# Altium PCB Elevator.PcbDoc (part 3 of 4)
Units mm, origin at the board's own origin, x right, y up, seen from the top; angles counter-clockwise.
Board outline 119.89 x 108.33 mm, 4 copper layers (Top Layer, Internal Plane 1, Internal Plane 2, Bottom Layer), stack 0.462 mm thick; 407 components, 278 nets, 1196 pads, 152 vias.
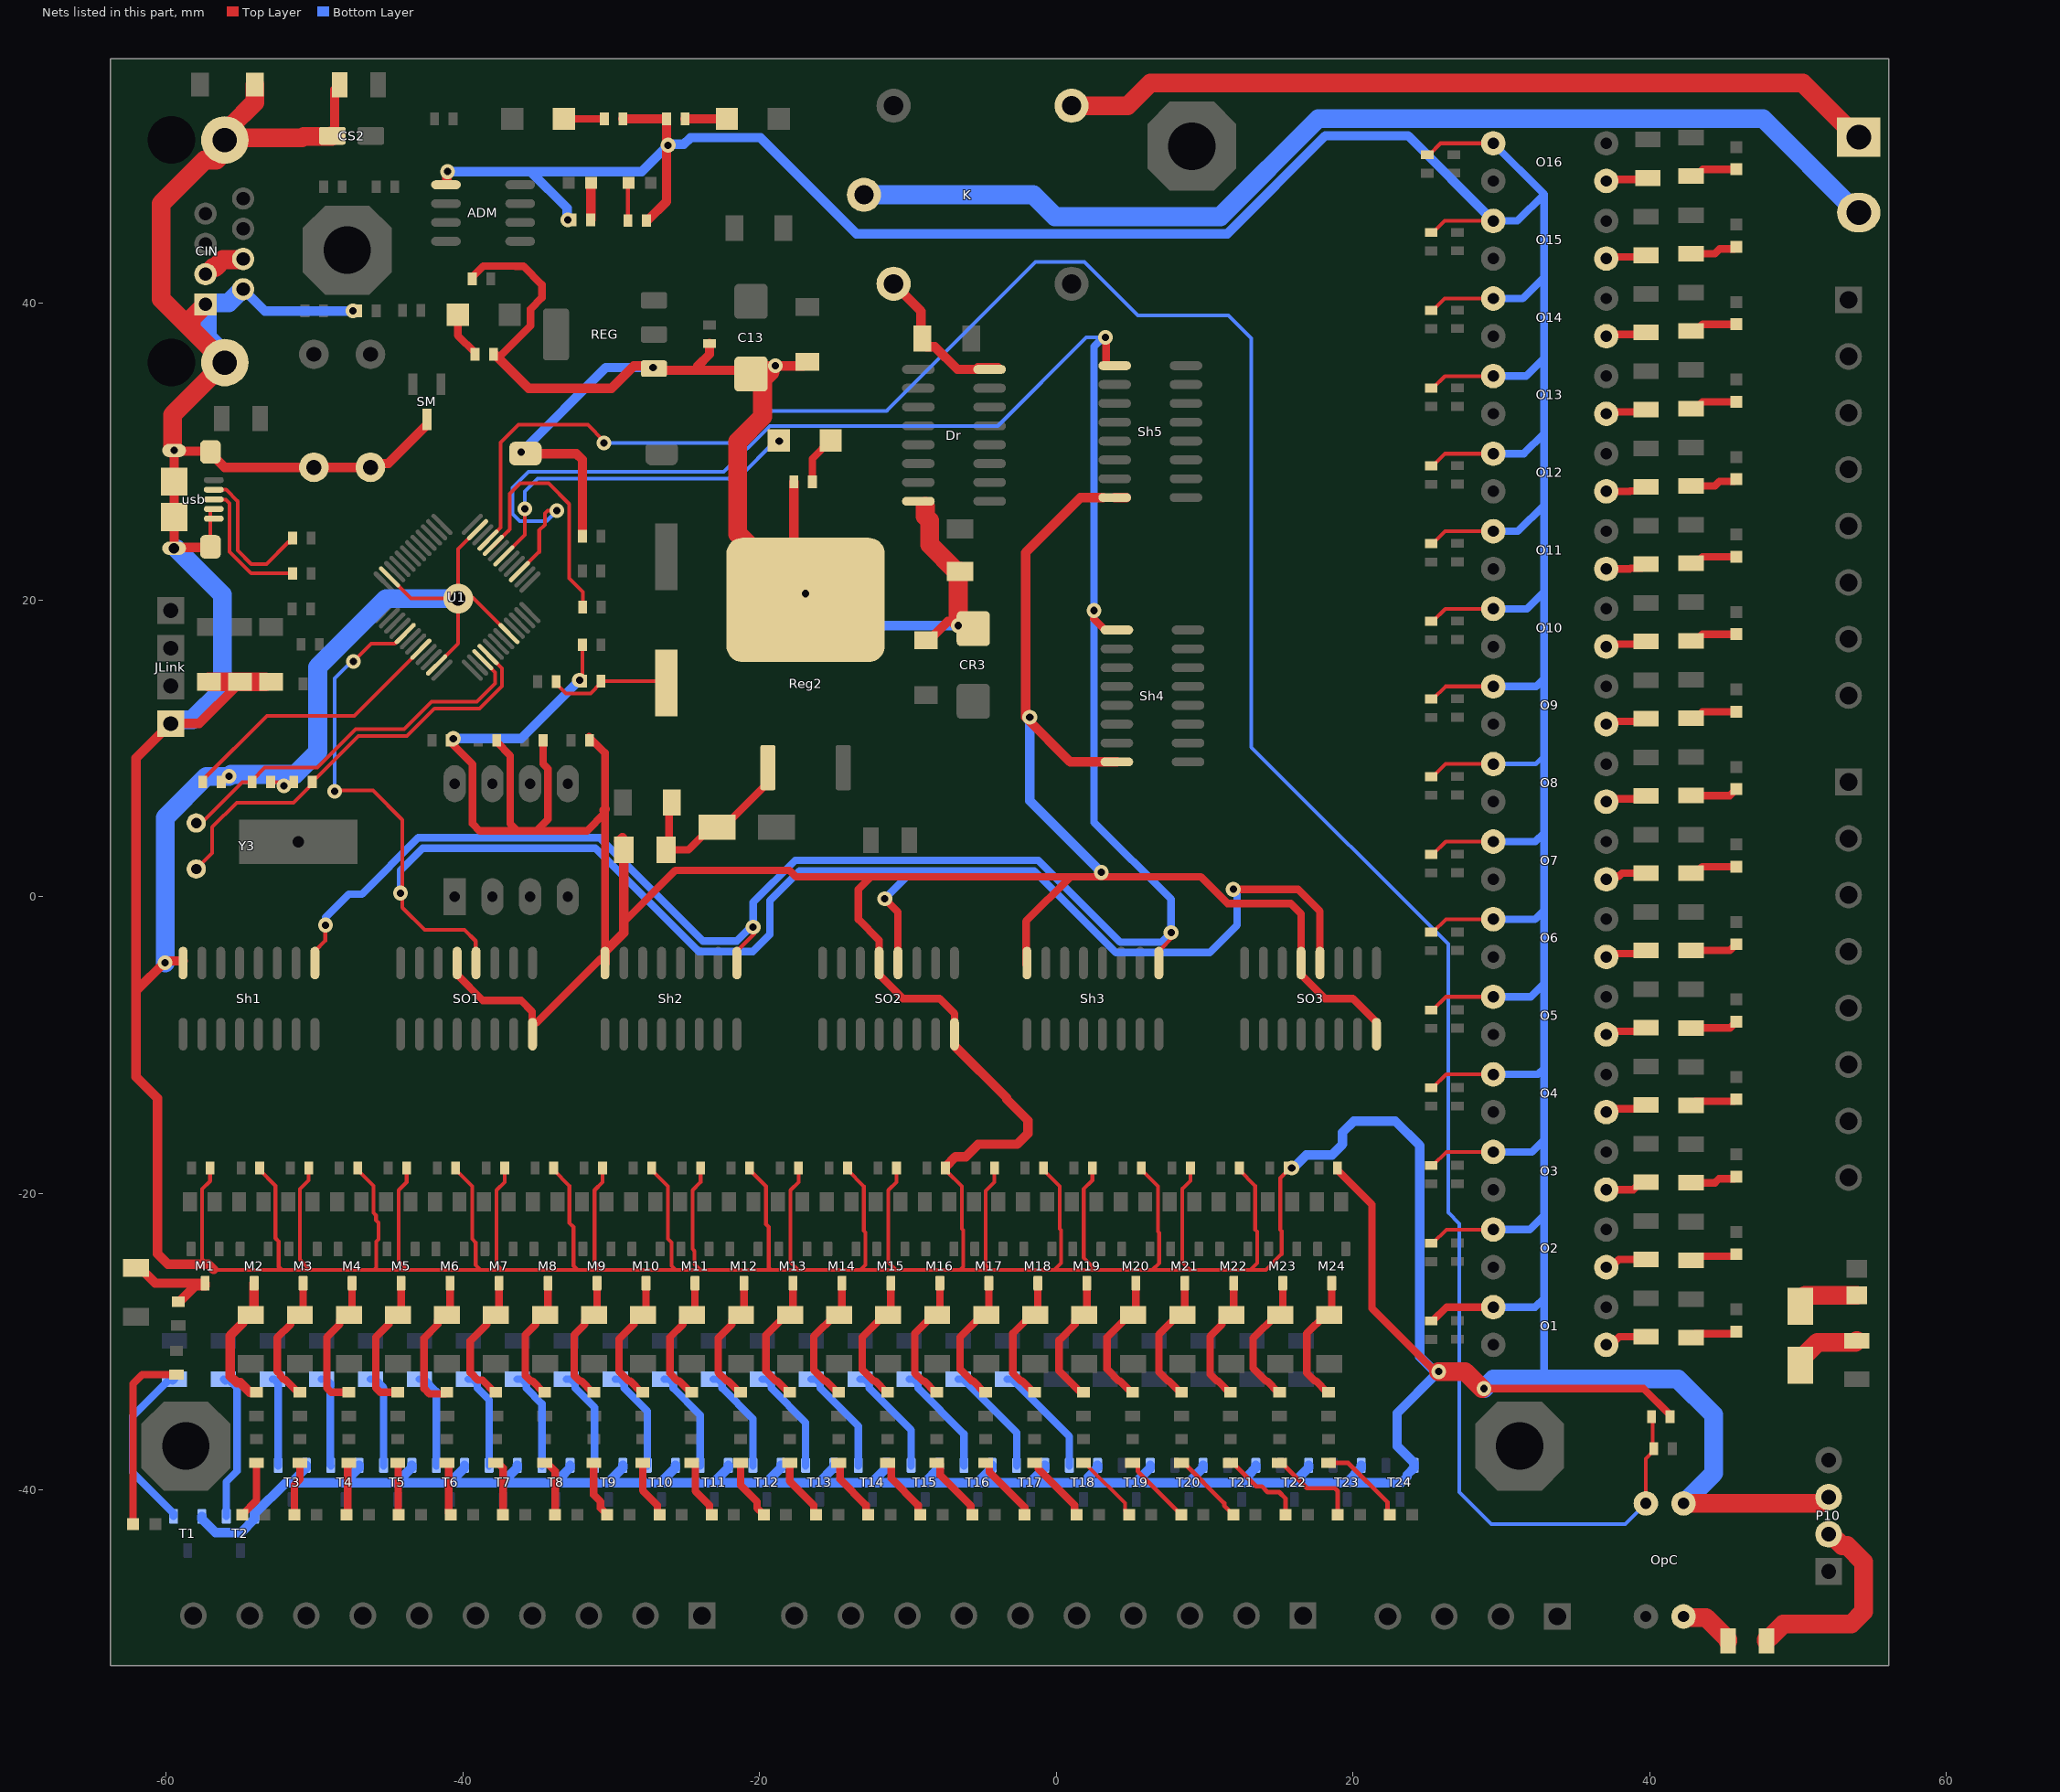
[diagram p5: the nets of this part, all layers, seen from the top]

## Via types
v1: diameter 1, hole 0.5, Top Layer to Bottom Layer, 149 vias
v2: diameter 2, hole 1, Top Layer to Bottom Layer, 3 vias

## Nets (pads, with @x,y where several pads share a name; then routed paths per layer and width w, separated by ;. In a path a pad name is that pad's centre, name@x,y a point inside that pad or via, vN(x,y) a via of type N, cw(c..) or ccw(c..) an arc to the next point about the centre after c; other vN are vias at no path point) (continued)
GND: ADM.5 C2.1 C6.2 C7.2 C10.2 C13.2 C15.2 C16.1 CH1.1 CIN.1 CIN.2 CIN.9 CR1.2 CR2.2 CR3.2 CS2.2 CS3.2 CV1.1 CV2.1 CV3.1 CV4.1 CV5.1 CV6.1 CV7.1 CV8.1 CV9.1 CV10.1 CV11.1 CV12.1 CV13.1 CV14.1 CV15.1 CV16.1 CY1.1 CY2.1 CY3.1 CY4.1 CY5.1 CY6.1 CY7.1 CY8.1 CY9.1 CY10.1 CY11.1 CY12.1 CY13.1 CY14.1 CY15.1 CY16.1 CY17.1 CY18.1 CY19.1 CY20.1 CY21.1 CY22.1 CY23.1 CY24.1 Dr.8 DZ1.1 DZ2.1 DZ10.1 DZ11.1 DZ12.1 DZ20.1 JLink.1 O1.3 O2.3 O3.3 O4.3 O5.3 O6.3 O7.3 O8.3 O9.3 O10.3 O11.3 O12.3 O13.3 O14.3 O15.3 O16.3 OpC.3 P10.3 R2.2 R4.1 R44.1 R45.1 R46.1 R47.1 R80.1 R82.1 R83.1 RC1.1 RC2.1 RC5.2 Reg2.4 REG.1 RES.1 RT1.2 RV1.1 RV2.1 Sh1.8 Sh2.8 Sh3.8 Sh4.8 Sh5.8 SM.3 SO1.8 SO1.13 SO2.8 SO2.13 SO3.8 SO3.13 T1.2 T2.2 T3.2 T4.2 T5.2 T6.2 T7.2 T8.2 T9.2 T10.2 T11.2 T12.2 T13.2 T14.2 T15.2 T16.2 T17.2 T18.2 T19.2 T20.2 T21.2 T22.2 T23.2 T24.2 U1.8 U1.23 U1.35 U1.47 usb.4 usb.5 usb.S | length 1308.8
  Top Layer w0.254: -57.248,-24.76 -57.583,-24.425 -57.583,-19.703 -57.036,-19.157 CY1.1@-57.036,-18.288 ; usb.S@-57.063,23.549 usb.S@-57.013,23.599 -57.013,26.082 -56.946,26.149 usb.4@-56.788,26.149 ; -56.798,-25.126 -56.779,-25.146 -52.197,-25.146 ; CY2.1@-53.692,-18.288 -53.692,-18.413 -52.631,-19.474 -52.631,-23.011 -52.414,-23.228 -52.414,-24.929 -52.197,-25.146 ; C15.2@-52.951,7.741 C16.1@-51.393,7.741 ; CY3.1@-50.39,-18.288 -50.39,-19.119 -50.979,-19.708 -50.979,-24.459 -50.292,-25.146 ; CY4.1@-47.088,-18.288 -47.088,-18.413 -46.027,-19.474 -46.027,-21.299 -45.855,-21.471 -45.855,-21.799 -45.687,-21.966 -45.687,-23.098 -45.831,-23.242 -45.831,-25.003 -45.974,-25.146 ; U1.35@-44.947,21.572 -43.491,20.116 v2@-40.717,20.116 ; CY5.1@-43.786,-18.288 -43.786,-19.233 -44.329,-19.776 -44.329,-24.548 -43.908,-24.969 -43.908,-25.053 -43.815,-25.146 ; U1.47@-41.765,15.632 -40.316,17.081 v2@-40.316,19.869 ; CY6.1@-40.484,-18.288 -40.484,-18.413 -39.375,-19.522 -39.375,-23.059 -39.135,-23.298 -39.135,-24.819 -38.808,-25.146 ; v2(-40.316,20.116) -40.316,23.445 U1.23@-39.007,24.754 ; v2@-39.325,20.193 U1.8@-36.886,17.753 ; CY7.1@-37.182,-18.288 -37.182,-19.233 -37.725,-19.776 -37.725,-24.794 -37.373,-25.146 ; CY8.1@-33.88,-18.288 -33.88,-18.413 -32.819,-19.474 -32.819,-21.984 -32.538,-22.265 -32.538,-24.866 -32.258,-25.146 ; C7.2@-31.936,14.536 C6.2@-31.936,16.988 ; CY9.1@-30.578,-18.288 -30.578,-19.233 -31.121,-19.776 -31.121,-24.632 -30.607,-25.146 ; CY10.1@-27.276,-18.288 -27.276,-18.413 -26.167,-19.522 -26.167,-23.059 -25.927,-23.298 -25.927,-24.873 -25.654,-25.146 ; CY11.1@-23.974,-18.288 -23.974,-19.233 -24.517,-19.776 -24.517,-23.743 -24.384,-23.876 -24.384,-24.765 -24.003,-25.146 ; CY12.1@-20.672,-18.288 -20.672,-18.413 -19.563,-19.522 -19.563,-22.067 -19.377,-22.252 -19.377,-24.997 -19.229,-25.146 ; CY13.1@-17.37,-18.288 -17.37,-19.233 -17.913,-19.776 -17.913,-21.457 -17.907,-21.463 -17.907,-24.638 -17.399,-25.146 ; CY14.1@-14.068,-18.288 -14.068,-18.413 -12.97,-19.511 -12.97,-22.511 -12.867,-22.614 -12.867,-24.805 -13.208,-25.146 ; CY15.1@-10.766,-18.288 -10.766,-19.233 -11.309,-19.776 -11.309,-24.632 -10.795,-25.146 ; CY16.1@-7.366,-18.511 -6.355,-19.522 -6.355,-22.39 -6.263,-22.481 -6.263,-24.932 -6.477,-25.146 ; CY17.1@-4.162,-18.288 -4.162,-19.225 -4.751,-19.814 -4.751,-24.84 -4.445,-25.146 ; CY18.1@-0.86,-18.288 -0.86,-18.413 0.249,-19.522 0.249,-22.39 0.341,-22.481 0.341,-24.678 -0.127,-25.146 ; CY19.1@2.442,-18.288 2.442,-19.119 1.853,-19.708 1.853,-24.332 2.667,-25.146 ; CY20.1@5.744,-18.288 5.744,-18.413 6.853,-19.522 6.853,-22.574 6.945,-22.666 6.945,-24.678 6.477,-25.146 ; CY21.1@9.046,-18.288 9.046,-19.142 8.503,-19.685 8.503,-24.632 9.017,-25.146 ; CY22.1@12.348,-18.288 12.348,-18.413 13.409,-19.474 13.409,-22.43 13.549,-22.569 13.549,-24.678 13.081,-25.146 ; CY23.1@15.65,-18.413 15.107,-18.956 15.107,-22.437 15.198,-22.528 15.198,-24.086 14.138,-25.146 13.081,-25.146 ; CV16.1@25.019,50.025 25.144,50.025 25.919,50.8 O16.3@29.464,50.8 ; CV2.1@25.273,-23.347 25.398,-23.347 26.316,-22.429 O2.3@29.464,-22.429 ; CV3.1@25.273,-18.106 25.398,-18.106 26.305,-17.199 O3.3@29.464,-17.199 ; CV4.1@25.273,-12.865 25.398,-12.865 26.295,-11.968 O4.3@29.464,-11.968 ; CV5.1@25.273,-7.624 25.398,-7.624 26.285,-6.737 O5.3@29.464,-6.737 ; CV6.1@25.273,-2.383 25.398,-2.383 26.275,-1.507 O6.3@29.464,-1.507 ; CV7.1@25.273,2.857 25.398,2.857 26.265,3.724 O7.3@29.464,3.724 ; CV8.1@25.273,8.098 25.398,8.098 26.254,8.955 O8.3@29.464,8.955 ; CV9.1@25.273,13.339 25.398,13.339 26.244,14.185 O9.3@29.464,14.185 ; CV10.1@25.273,18.58 25.398,18.58 26.234,19.416 O10.3@29.464,19.416 ; CV11.1@25.273,23.821 25.398,23.821 26.224,24.647 O11.3@29.464,24.647 ; CV12.1@25.273,29.062 25.398,29.062 26.214,29.877 O12.3@29.464,29.877 ; CV13.1@25.273,34.303 25.398,34.303 26.203,35.108 O13.3@29.464,35.108 ; CV14.1@25.273,39.543 25.398,39.543 26.193,40.339 O14.3@29.464,40.339 ; CV15.1@25.273,44.784 25.398,44.784 26.183,45.569 O15.3@29.464,45.569 ; -52.197,-25.146 -50.292,-25.146 ; -50.292,-25.146 -45.974,-25.146 ; -45.974,-25.146 -43.815,-25.146 ; -43.815,-25.146 -38.808,-25.146 ; -38.808,-25.146 -37.373,-25.146 ; -37.373,-25.146 -32.258,-25.146 ; -32.258,-25.146 -30.607,-25.146 ; -30.607,-25.146 -25.654,-25.146 ; -25.654,-25.146 -24.003,-25.146 ; -24.003,-25.146 -19.229,-25.146 ; -19.229,-25.146 -17.399,-25.146 ; -17.399,-25.146 -13.208,-25.146 ; -13.208,-25.146 -10.795,-25.146 ; -10.795,-25.146 -6.477,-25.146 ; -6.477,-25.146 -4.445,-25.146 ; -4.445,-25.146 -0.127,-25.146 ; -0.127,-25.146 2.667,-25.146 ; 2.667,-25.146 6.477,-25.146 ; 6.477,-25.146 9.017,-25.146 ; 9.017,-25.146 13.081,-25.146
  Top Layer w0.508: R44.1@-40.837,10.554 -40.837,10.429 -39.342,8.934 -39.342,4.925 -38.862,4.445 -36.322,4.445 ; SO1.13@-40.382,-4.458 -40.382,-5.258 -38.655,-6.985 -36.068,-6.985 -35.32,-7.733 SO1.8@-35.32,-8.502 ; RC5.2@-39.36,41.654 -39.36,41.779 -38.622,42.517 -38.62,42.517 -38.603,42.533 -36.466,42.533 -36.449,42.517 -35.913,42.517 -34.671,41.275 -34.671,40.386 -35.433,39.624 -35.433,38.505 -37.489,36.449 R80.1@-37.719,36.449 ; R45.1@-37.713,10.554 -37.713,10.429 -36.802,9.518 -36.802,4.925 -36.322,4.445 ; SO1.8@-35.302,-9.258 -35.302,-8.502 -35.26,-8.459 -35.002,-8.459 Sh2.8@-30.708,-4.165 ; -34.925,4.572 -34.262,5.235 -34.262,8.632 -34.59,8.96 R46.1@-34.59,10.554 ; R47.1@-31.496,10.795 -30.414,9.713 -30.414,5.908 ; Sh2.8@-30.414,-3.693 -30.414,5.654 -31.623,4.445 -36.322,4.445 ; -29.148,-1.701 -25.668,1.778 -17.974,1.778 -17.545,1.349 -12.494,1.349 ; SO2.13@-11.936,-4.458 SO2.13@-11.936,-4.701 ; SO2.8@-6.858,-9.271 -6.858,-7.874 -7.874,-6.858 -10.336,-6.858 -11.936,-5.258 SO2.13@-11.936,-4.701 ; Sh3.8@-2.032,-4.572 -2.032,-1.651 0.968,1.349 ; CY24.1@18.952,-18.288 18.952,-18.413 21.281,-20.742 21.281,-27.748 25.537,-32.004 v1(25.781,-32.004) ; SO3.8@21.59,-9.017 21.59,-8.458 19.99,-6.858 18.11,-6.858 16.51,-5.258 SO3.13@16.51,-4.458 16.51,-1.143 15.813,-0.446 11.543,-0.446 9.748,1.349 0.968,1.349 ; CV1.1@25.273,-28.588 25.398,-28.588 26.326,-27.66 O1.3@29.464,-27.66 ; v1@28.713,-33.149 v1(28.84,-33.149) 39.599,-33.149 41.376,-34.927 CH1.1@41.376,-35.052 ; -12.494,1.349 0.968,1.349 ; -12.494,1.349 -13.335,0.508 -13.335,-1.524 -11.938,-2.921 -11.938,-4.699 SO2.13@-11.936,-4.701
  Top Layer w0.635: Sh1.8@-58.861,-4.318 -59.993,-4.318 -62.025,-6.35 ; usb.S@-57.063,23.549 -59.413,23.549 usb.S@-59.463,23.499 usb.S@-59.463,25.599 usb.S@-59.463,27.999 usb.S@-59.463,30.099 -59.413,30.049 -57.063,30.049 usb.S@-57.013,29.999 -57.013,29.917 -56.052,28.956 RV2.1@-50.038,28.956 RV1.1@-46.228,28.956 -45.967,29.217 -45.01,29.217 -42.418,31.809 SM.3@-42.418,32.199 ; -56.798,-25.126 -57.165,-24.76 -57.248,-24.76 -59.888,-24.76 -60.579,-24.068 -60.579,-13.589 -62.025,-12.143 -62.025,-6.35 ; DZ12.1@-55.205,14.252 -57.773,11.684 JLink.1@-59.69,11.684 -62.025,9.349 -62.025,-6.35 ; CS2.2@-48.798,51.308 -48.641,51.465 -48.641,54.412 CS3.2@-48.316,54.737 ; ADM.5@-41.134,48.006 -41.095,48.006 -41.078,48.024 -41.078,48.838 v1(-41.021,48.895) ; R80.1@-37.846,36.576 -37.719,36.449 -35.56,34.29 -29.972,34.29 -28.469,35.793 REG.1@-27.117,35.793 ; RES.1@-35.785,29.883 -32.345,29.883 -31.936,29.473 C10.2@-31.936,24.308 ; -30.48,5.842 -30.414,5.908 ; Sh2.8@-30.414,-4.458 -30.414,-3.693 -29.148,-2.426 -29.148,-1.701 CR1.2@-29.148,3.175 -29.148,3.425 CR1.2@-29.48,3.758 ; CR1.2@-29.484,3.761 CR1.2@-29.247,3.998 ; R82.1@-29.21,52.451 R83.1@-26.263,52.451 -26.263,46.889 RC1.1@-27.559,45.593 ; REG.1@-27.117,35.613 -27.009,35.504 C13.2@-20.313,35.504 ; -24.151,35.793 -23.368,36.576 C2.1@-23.368,37.303 ; C13.2@-20.574,35.244 C13.2@-20.313,35.504 ; v1@-19.233,35.504 C13.2@-20.313,35.504 ; R4.1@-17.686,27.978 -17.686,20.811 Reg2.4@-16.891,20.016 ; DZ2.1@-16.784,36.07 -17.066,35.788 -20.03,35.788 C13.2@-20.313,35.504 ; DZ1.1@-8.776,17.292 -8.576,17.292 -7.289,18.579 CR3.2@-6.604,18.579 ; CY16.1@-7.464,-18.288 -7.464,-18.198 -6.793,-17.528 -6.102,-17.528 -5.257,-16.682 -2.632,-16.682 -1.903,-15.953 -1.903,-15.076 -3.338,-13.641 -3.338,-13.541 -6.856,-10.023 SO2.8@-6.856,-9.258 ; Sh5.8@3.167,26.917 1.644,26.917 -2.067,23.206 -2.067,12.109 0.943,9.1 Sh4.8@4.09,9.1 ; Sh5.8@3.95,26.917 Sh5.8@4.715,26.917
  Top Layer w1.27: usb.S@-59.563,30.226 -59.563,32.505 CIN.9@-56.047,36.021 ; -58.293,38.481 -58.293,38.995 CIN.1@-57.347,39.941 ; DZ11.1@-57.127,14.489 DZ12.1@-55.033,14.489 DZ10.1@-53.327,14.489 ; CIN.9@-56.261,36.195 -56.261,36.235 -60.325,40.299 -60.325,46.743 -57.391,49.677 -56.622,49.677 CIN.9@-55.626,50.673 ; DZ20.1@-54.03,54.75 -54.03,53.56 -55.678,51.913 -55.678,50.725 CIN.9@-55.626,50.673 ; CS2.2@-48.798,51.308 -48.833,51.273 -50.723,51.273 -50.837,51.159 -55.14,51.159 CIN.9@-55.626,50.673 ; -19.304,35.396 -19.794,34.906 -19.794,32.364 -21.463,30.695 -21.463,24.462 -19.48,22.479 Reg2.4@-18.796,22.479 ; -8.825,26.335 -8.825,25.656 -8.538,25.369 -8.538,23.754 -6.727,21.943 CR2.2@-6.477,21.943 ; CR3.2@-6.604,18.579 CR2.2@-6.604,21.844 ; v1(25.781,-32.004) 27.568,-32.004 v1@28.713,-33.149 ; OpC.3@42.291,-40.894 51.506,-40.894 51.927,-40.473 P10.3@52.07,-40.473
  Bottom Layer w0.305: O8.3@29.464,8.955 32.323,8.955 32.893,9.525
  Bottom Layer w0.508: O1.3@29.464,-27.66 32.284,-27.66 32.893,-27.051 ; O2.3@29.464,-22.429 31.927,-22.429 32.893,-21.463 ; O3.3@29.464,-17.199 32.077,-17.199 32.893,-16.383 ; O4.3@29.464,-11.968 32.482,-11.968 32.893,-11.557 ; O5.3@29.464,-6.737 31.998,-6.737 32.893,-5.842 ; O6.3@29.464,-1.507 32.275,-1.507 32.893,-0.889 ; O7.3@29.464,3.724 32.299,3.724 32.893,4.318 ; O9.3@29.464,14.185 32.346,14.185 32.893,14.732 ; O10.3@29.464,19.416 31.735,19.416 32.893,20.574 ; O11.3@29.464,24.647 31.124,24.647 32.893,26.416 ; O12.3@29.464,29.877 31.528,29.877 32.893,31.242 ; O13.3@29.464,35.108 31.679,35.108 32.893,36.322 ; O14.3@29.464,40.339 31.449,40.339 32.893,41.783 ; O15.3@29.464,45.569 31.091,45.569 32.893,47.371 ; O16.3@29.464,50.8 32.893,47.371 ; 32.893,-32.512 32.893,-27.051 ; 32.893,-27.051 32.893,-21.463 ; 32.893,-21.463 32.893,-16.383 ; 32.893,-16.383 32.893,-11.557 ; 32.893,-11.557 32.893,-5.842 ; 32.893,-5.842 32.893,-0.889 ; 32.893,-0.889 32.893,4.318 ; 32.893,4.318 32.893,9.525 32.893,14.732 ; 32.893,14.732 32.893,20.574 ; 32.893,20.574 32.893,26.416 ; 32.893,26.416 32.893,31.242 ; 32.893,31.242 32.893,36.322 ; 32.893,36.322 32.893,41.783 ; 32.893,41.783 32.893,47.371
  Bottom Layer w0.635: T1.2@-57.597,-41.769 -57.597,-41.934 -56.681,-42.85 -54.957,-42.85 -54.041,-41.934 T2.2@-54.041,-41.769 -54.041,-41.604 -51.934,-39.497 -51.435,-39.497 ; CIN.2@-54.807,40.961 -54.763,40.917 -53.343,39.497 v1(-47.408,39.497) ; T3.2@-50.551,-38.329 -50.551,-38.494 -51.435,-39.378 -51.435,-39.497 ; T4.2@-46.995,-38.329 -46.995,-38.494 -47.879,-39.378 -47.879,-39.497 ; T5.2@-43.439,-38.329 -43.439,-38.494 -44.442,-39.497 ; v1(-41.021,48.895) -35.433,48.895 ; v1(-40.64,10.668) -36.068,10.668 v1(-32.131,14.605) ; T6.2@-39.883,-38.329 -39.883,-38.494 -40.64,-39.251 -40.64,-39.497 ; T7.2@-36.327,-38.329 -36.327,-38.494 -37.277,-39.444 -37.277,-39.497 ; v1(-36.068,29.972) -30.353,35.687 v1(-27.178,35.687) ; v1@-32.978,45.64 -32.978,46.44 -35.433,48.895 ; T8.2@-32.771,-38.329 -32.771,-38.494 -33.401,-39.124 -33.401,-39.497 ; T9.2@-29.215,-38.329 -29.215,-38.494 -30.218,-39.497 ; T10.2@-25.659,-38.329 -25.659,-38.494 -26.609,-39.444 -26.609,-39.497 ; T11.2@-22.103,-38.329 -22.103,-38.494 -22.987,-39.378 -22.987,-39.497 ; T12.2@-18.547,-38.329 -18.547,-38.494 -19.304,-39.251 -19.304,-39.497 ; v1(-16.891,20.447) -14.732,18.288 v1(-6.604,18.288) v1@-6.35,18.288 ; T13.2@-14.991,-38.329 -14.991,-38.494 -15.994,-39.497 ; T14.2@-11.435,-38.329 -11.435,-38.494 -12.438,-39.497 ; T15.2@-7.879,-38.329 -7.879,-38.494 -8.882,-39.497 ; T16.2@-4.323,-38.329 -4.323,-38.494 -5.207,-39.378 -5.207,-39.497 ; v1(-1.778,12.109) -1.778,6.477 v1(3.048,1.651) ; T17.2@-0.767,-38.329 -0.767,-38.494 -1.77,-39.497 ; T18.2@2.789,-38.329 2.789,-38.494 2.159,-39.124 2.159,-39.497 ; T19.2@6.345,-38.329 6.345,-38.494 5.342,-39.497 ; T20.2@9.901,-38.329 9.901,-38.494 8.898,-39.497 ; T21.2@13.457,-38.329 13.457,-38.494 12.954,-38.997 12.954,-39.497 ; v1(15.875,-18.288) 15.974,-18.288 16.861,-17.401 18.582,-17.401 19.302,-16.68 19.302,-15.877 20.066,-15.113 22.86,-15.113 24.511,-16.764 24.511,-30.988 v1@25.654,-32.131 ; T22.2@17.013,-38.329 17.013,-38.494 16.063,-39.444 16.063,-39.497 ; T23.2@20.569,-38.329 20.569,-38.494 19.566,-39.497 ; v1(25.781,-32.004) v1@25.654,-32.131 ; O15.3@29.464,45.569 23.725,51.308 18.14,51.308 11.536,44.704 -13.462,44.704 -19.939,51.181 -24.66,51.181 -25.099,50.743 -26.092,50.743 v1(-26.162,50.673) -27.94,48.895 -35.433,48.895 ; -51.435,-39.497 -47.879,-39.497 ; -47.879,-39.497 -44.442,-39.497 ; -44.442,-39.497 -40.64,-39.497 ; -40.64,-39.497 -37.277,-39.497 ; -37.277,-39.497 -33.401,-39.497 ; -33.401,-39.497 -30.218,-39.497 ; -30.218,-39.497 -26.609,-39.497 ; -26.609,-39.497 -22.987,-39.497 ; -22.987,-39.497 -19.304,-39.497 ; -19.304,-39.497 -15.994,-39.497 ; -15.994,-39.497 -12.438,-39.497 ; -12.438,-39.497 -8.882,-39.497 ; -8.882,-39.497 -5.207,-39.497 ; -5.207,-39.497 -1.77,-39.497 ; -1.77,-39.497 2.159,-39.497 ; 2.159,-39.497 5.342,-39.497 ; 5.342,-39.497 8.898,-39.497 ; 8.898,-39.497 12.954,-39.497 ; 12.954,-39.497 16.063,-39.497 ; 16.063,-39.497 19.566,-39.497 ; 19.566,-39.497 23.25,-39.497 23.658,-39.089 23.658,-38.961 24.125,-38.494 T24.2@24.125,-38.329 24.125,-38.164 22.987,-37.026 22.987,-34.798 v1@25.654,-32.131
  Bottom Layer w1.27: v1(-60.071,-4.445) -60.071,5.334 -57.277,8.128 v1(-55.753,8.128) ; JLink.1@-59.69,11.684 -59.425,11.949 -58.228,11.949 -56.207,13.97 -56.207,20.373 usb.S@-59.298,23.464 ; CIN.9@-56.388,36.068 -56.388,36.884 -57.232,37.728 -57.232,39.826 CIN.1@-57.347,39.941 -57.232,40.056 -55.774,40.056 -54.913,40.917 CIN.2@-54.763,40.917 ; v1@-55.626,8.255 -51.308,8.255 -49.784,9.779 -49.784,15.494 -45.162,20.116 v2(-40.316,20.116) ; v1(28.84,-33.149) 29.478,-32.512 32.893,-32.512 41.91,-32.512 44.323,-34.925 44.323,-38.862 OpC.3@42.291,-40.894
  other v1: -52.07,7.493 -18.923,35.814 -32.926,45.64
"Latch Pin 2": SO1.12 SO2.12 SO3.12 U1.41 | length 120.2
  Top Layer w0.254: v1@-49.022,7.112 -48.895,7.112 -48.83,7.177 -46.059,7.177 -44.069,5.187 -44.069,-0.728 -42.565,-2.232 -39.878,-2.232 -39.133,-2.977 -39.133,-4.437 SO1.12@-39.112,-4.458 ; v1(-47.371,15.875) -46.182,17.064 -44.588,17.064 -43.899,17.753 U1.41@-43.886,17.753
  Top Layer w0.508: v1(-11.557,-0.127) -10.666,-1.018 SO2.12@-10.666,-4.458 ; v1(11.938,0.508) 16.304,0.508 17.78,-0.968 SO3.12@17.78,-4.458
  Bottom Layer w0.254: v1(-48.641,7.112) -48.641,14.732 v1@-47.434,15.938
  Bottom Layer w0.508: v1(-44.196,0.254) -44.196,1.793 -42.706,3.283 -31.081,3.283 -24.115,-3.683 -20.447,-3.683 -19.304,-2.54 -19.304,-0.248 -17.297,1.759 -1.49,1.759 4.025,-3.756 10.341,-3.756 12.192,-1.905 12.192,0.254 v1(11.938,0.508) ; v1(-11.557,-0.127) -9.906,1.524
LoadPin: Sh1.1 Sh2.1 Sh3.1 Sh4.1 Sh5.1 U1.15 | length 177.4
  Top Layer w0.254: Sh1.1@-49.971,-4.458 -49.971,-3.658 -49.276,-2.963 v1@-49.276,-1.778 ; U1.15@-36.179,21.925 -34.852,23.252 -34.852,24.704 -34.471,25.085 -34.471,25.854 -34.29,26.035 v1@-33.782,26.035 ; Sh2.1@-21.524,-4.458 -21.524,-3.658 v1@-20.32,-2.454 ; Sh3.1@6.922,-4.458 6.922,-3.658 v1@7.913,-2.667
  Top Layer w0.508: 2.54,18.742 3.292,17.99 Sh4.1@4.09,17.99 ; v1@3.429,37.719 3.361,37.651 3.361,35.85 3.404,35.807 Sh5.1@3.95,35.807
  Bottom Layer w0.254: v1(-33.655,26.035) -34.355,25.335 -36.157,25.335 -36.641,25.819 -36.641,27.587 -35.58,28.648 -22.406,28.648 -19.304,31.75 -3.937,31.75 2.032,37.719 v1@3.175,37.719
  Bottom Layer w0.508: v1(-49.259,-1.905) -49.259,-1.38 -47.691,0.188 -46.802,0.188 -42.999,3.991 -30.788,3.991 -23.822,-2.975 -21.517,-2.975 -20.43,-1.888 -20.43,-0.373 -17.59,2.467 -1.197,2.467 4.318,-3.048 7.112,-3.048 v1(7.747,-2.413) ; v1@3.175,37.719 2.557,37.101 v1(2.557,19.304) 2.557,5.025 7.747,-0.165 v1@7.747,-2.286
  other v1: -20.43,-2.032 3.319,37.719
Net3.3V_2: 3.3V.2 R83.2 | length 2.8
  Top Layer w0.635: R83.2@-25.019,52.451 3.3V.2@-22.197,52.451
Net5V_2: 5V.2 R82.2 | length 2.7
  Top Layer w0.508: 5V.2@-33.175,52.451 R82.2@-30.454,52.451
Net24V_2: 24V.2 R80.2 | length 3.2
  Top Layer w0.508: 24V.2@-40.337,39.243 -40.337,37.849 -39.183,36.695 R80.2@-39.183,36.57
NetC1_1: C1.1 K.3 | length 55.2
  Top Layer w1.27: K.3@1.037,53.332 4.818,53.332 6.353,54.867 50.321,54.867 53.975,51.213 C1.1@54.102,51.213
NetC1_2: C1.2 K.1 | length 73
  Bottom Layer w1.27: K.1@-12.963,47.332 -1.551,47.332 -0.075,45.856 11.058,45.856 17.662,52.46 47.648,52.46 53.818,46.29 53.975,46.133 C1.2@54.102,46.133
NetC7_1: C7.1 R3.2 Y2.1 | length 8.3
  Top Layer w0.254: R3.2@-33.717,14.515 -33.717,14.39 -33.043,13.716 -31.387,13.716 -30.691,14.411 C7.1@-30.691,14.536 -26.401,14.536 Y2.1@-26.289,14.424
NetC15_1: C15.1 U1.3 Y3.1 | length 26.4
  Top Layer w0.254: Y3.1@-57.973,4.979 -57.651,4.979 -57.498,4.826 -57.498,4.97 -57.49,4.979 -57.49,5.121 -54.87,7.741 C15.1@-54.195,7.741 -54.195,7.866 -53.348,8.713 -49.818,8.713 -47.229,11.303 -43.951,11.303 -42.1,13.154 -39.051,13.154 -37.815,14.39 -37.815,15.135 -38.654,15.973 U1.3@-38.654,15.986
NetC16_2: C16.2 U1.4 Y3.2 | length 29.4
  Top Layer w0.254: Y3.2@-57.973,1.879 -56.896,2.956 -56.896,4.699 -55.245,6.35 -51.415,6.35 -50.148,7.616 C16.2@-50.148,7.741 -50.148,7.866 -49.975,8.039 -49.85,8.039 -47.041,10.849 -43.761,10.849 -41.91,12.7 -38.863,12.7 -37.361,14.202 -37.361,15.396 -38.3,16.335 U1.4@-38.3,16.339
NetCH1_2: CH1.2 OpC.4 RP2.1 U1.21 | length 169.4
  Top Layer w0.254: U1.21@-38.3,24.047 -38.3,24.059 -37.465,24.894 -37.465,30.621 -36.257,31.83 -31.576,31.83 v1@-30.48,30.734 ; OpC.4@39.751,-40.894 39.751,-37.87 40.285,-37.336 RP2.1@40.285,-37.211 40.208,-37.135 40.208,-35.128 CH1.2@40.132,-35.052
  Bottom Layer w0.254: v1(-30.48,30.607) -21.934,30.607 -19.775,32.766 -11.43,32.766 -1.387,42.809 1.895,42.809 5.515,39.189 11.618,39.189 13.154,37.653 13.154,10.087 26.425,-3.184 26.425,-21.282 27.178,-22.035 27.178,-40.132 29.337,-42.291 38.354,-42.291 OpC.4@39.751,-40.894
NetCIN_3: CIN.3 CIN.4 | length 3
  Top Layer w1.27: CIN.3@-57.347,41.981 -57.285,41.981 -56.83,42.436 -56.69,42.436 -56.169,42.957 -54.851,42.957 CIN.4@-54.807,43.001
NetCON_1: CON.1 U1.18 | length 23.6
  Top Layer w0.254: U1.18@-37.239,22.986 -35.814,24.411 v1@-35.814,26.035 ; v1@-35.941,25.908 v1@-35.814,26.035 ; v1(-35.814,26.162) v1@-35.814,26.035
  Bottom Layer w0.254: v1(-35.814,26.162) -35.814,27.332 -34.952,28.194 -21.463,28.194 v1@-18.796,30.861
  other v1: -18.669,30.734
NetCON_2: CON.2 R4.2 | length 3.3
  Top Layer w0.508: R4.2@-16.441,27.978 -16.441,29.536 CON.2@-15.206,30.772
NetCR1_1: CR1.1 DM1.2 DP1.2 Reg2.1 | length 13.1
  Top Layer w0.508: DP1.2@-25.909,6.35 -26.103,6.156 -26.103,3.369 CR1.1@-26.298,3.175 -24.784,3.175 -23.26,4.699 DM1.2@-22.86,4.699 -22.264,5.295 -21.833,5.295 -19.431,7.697 Reg2.1@-19.431,8.713
NetDD1_1: DD1.1 M1.3 RJ1.1 | length 7.5
  Top Layer w0.635: DD1.1@-62.025,-25.02 -61.75,-25.02 -60.728,-26.042 M1.3@-57.37,-26.042 -57.37,-26.207 -57.388,-26.225 -58.027,-26.225 -59.107,-27.305 RJ1.1@-59.182,-27.305
NetDD2_1: DD2.1 M2.3 RJ2.1 | length 8.9
  Top Layer w0.635: RJ2.1@-54.289,-33.401 -54.364,-33.401 -55.007,-32.758 -55.232,-32.758 -55.681,-32.309 -55.681,-29.587 -54.846,-28.753 -54.846,-28.478 -54.564,-28.195 DD2.1@-54.289,-28.195 -54.086,-27.992 -54.086,-26.06 M2.3@-54.068,-26.042
NetDD3_1: DD3.1 M3.3 RJ3.1 | length 9
  Top Layer w0.508: RJ3.1@-50.987,-33.401 -51.083,-33.305 -51.203,-33.305 -51.959,-32.549 -52.047,-32.549 -52.313,-32.283 -52.313,-32.194 -52.511,-31.997 -52.511,-29.721 -51.605,-28.816 -51.605,-28.541 -51.259,-28.195 DD3.1@-50.984,-28.195 -50.766,-27.977 M3.3@-50.766,-26.042
NetDD4_1: DD4.1 M4.3 RJ4.1 | length 9.5
  Top Layer w0.508: RJ4.1@-47.685,-33.401 -48.872,-33.401 -49.169,-33.103 -49.169,-29.685 -48.3,-28.816 -48.3,-28.541 -47.954,-28.195 DD4.1@-47.679,-28.195 -47.464,-27.98 M4.3@-47.464,-26.042
NetDD5_1: DD5.1 M5.3 RJ5.1 | length 9.5
  Top Layer w0.508: RJ5.1@-44.383,-33.401 -45.57,-33.401 -45.867,-33.103 -45.867,-29.688 -44.996,-28.816 -44.996,-28.541 -44.65,-28.195 DD5.1@-44.375,-28.195 -44.162,-27.983 M5.3@-44.162,-26.042
NetDD6_1: DD6.1 M6.3 RJ6.1 | length 9.7
  Top Layer w0.508: RJ6.1@-41.081,-33.401 -41.177,-33.497 -42.26,-33.497 -42.613,-33.144 -42.613,-29.738 -41.691,-28.816 -41.691,-28.541 -41.345,-28.195 DD6.1@-41.07,-28.195 -40.86,-27.985 M6.3@-40.86,-26.042
NetDD7_1: DD7.1 M7.3 RJ7.1 | length 9.3
  Top Layer w0.508: RJ7.1@-37.779,-33.401 -37.854,-33.401 -38.671,-32.584 -38.98,-32.584 -39.497,-32.067 -39.497,-29.927 -38.386,-28.816 -38.386,-28.541 -38.04,-28.195 DD7.1@-37.765,-28.195 -37.558,-27.988 M7.3@-37.558,-26.042
NetDD8_1: DD8.1 M8.3 RJ8.1 | length 8.8
  Top Layer w0.508: RJ8.1@-34.477,-33.401 -34.552,-33.401 -35.311,-32.642 -35.43,-32.642 -35.79,-32.283 -35.79,-29.524 -35.082,-28.816 -35.082,-28.541 -34.736,-28.195 DD8.1@-34.461,-28.195 -34.256,-27.991 M8.3@-34.256,-26.042
NetDD9_1: DD9.1 M9.3 RJ9.1 | length 8.8
  Top Layer w0.508: RJ9.1@-31.175,-33.401 -31.25,-33.401 -32.009,-32.642 -32.126,-32.642 -32.485,-32.283 -32.485,-29.524 -31.777,-28.816 -31.777,-28.541 -31.431,-28.195 DD9.1@-31.156,-28.195 -30.954,-27.994 M9.3@-30.954,-26.042
NetDD10_1: DD10.1 M10.3 RJ10.1 | length 9
  Top Layer w0.508: RJ10.1@-27.873,-33.401 -27.948,-33.401 -28.707,-32.642 -28.821,-32.642 -29.464,-31.999 -29.464,-29.808 -28.472,-28.816 -28.472,-28.541 -28.126,-28.195 DD10.1@-27.851,-28.195 -27.652,-27.996 M10.3@-27.652,-26.042
NetDD11_1: DD11.1 M11.3 RJ11.1 | length 8.9
  Top Layer w0.508: RJ11.1@-24.571,-33.401 -24.646,-33.401 -25.405,-32.642 -25.516,-32.642 -26.035,-32.123 -26.035,-29.684 -25.167,-28.816 -25.167,-28.541 -24.821,-28.195 DD11.1@-24.546,-28.195 -24.35,-27.999 M11.3@-24.35,-26.042
NetDD12_1: DD12.1 M12.3 RJ12.1 | length 9
  Top Layer w0.508: RJ12.1@-21.269,-33.401 -21.344,-33.401 -22.103,-32.642 -22.211,-32.642 -22.777,-32.077 -22.777,-29.73 -21.863,-28.816 -21.863,-28.541 -21.517,-28.195 DD12.1@-21.242,-28.195 -21.048,-28.002 M12.3@-21.048,-26.042
NetDD13_1: DD13.1 M13.3 RJ13.1 | length 9
  Top Layer w0.508: RJ13.1@-17.967,-33.401 -18.042,-33.401 -18.801,-32.642 -18.907,-32.642 -19.558,-31.991 -19.558,-29.541 -18.212,-28.195 DD13.1@-17.937,-28.195 -17.746,-28.004 M13.3@-17.746,-26.042
NetDD14_1: DD14.1 M14.3 RJ14.1 | length 9.1
  Top Layer w0.508: RJ14.1@-14.665,-33.401 -14.74,-33.401 -15.499,-32.642 -15.602,-32.642 -16.338,-31.907 -16.338,-29.625 -14.907,-28.195 DD14.1@-14.632,-28.195 -14.444,-28.007 M14.3@-14.444,-26.042
NetDD15_1: DD15.1 M15.3 RJ15.1 | length 9.1
  Top Layer w0.508: RJ15.1@-11.363,-33.401 -11.438,-33.401 -12.197,-32.642 -12.297,-32.642 -13.081,-31.859 -13.081,-29.673 -11.603,-28.195 DD15.1@-11.328,-28.195 -11.142,-28.01 M15.3@-11.142,-26.042
NetDD16_1: DD16.1 M16.3 RJ16.1 | length 8.9
  Top Layer w0.508: RJ16.1@-8.061,-33.401 -8.136,-33.401 -8.895,-32.642 -8.993,-32.642 -9.525,-32.11 -9.525,-29.422 -8.298,-28.195 DD16.1@-8.023,-28.195 -7.84,-28.013 M16.3@-7.84,-26.042
NetDD17_1: DD17.1 M17.3 RJ17.1 | length 9.1
  Top Layer w0.508: RJ17.1@-4.759,-33.401 -4.834,-33.401 -5.593,-32.642 -5.688,-32.642 -6.477,-31.853 -6.477,-29.679 -4.993,-28.195 DD17.1@-4.718,-28.195 -4.538,-28.015 M17.3@-4.538,-26.042
NetDD18_1: DD18.1 M18.3 RJ18.1 | length 8.9
  Top Layer w0.508: RJ18.1@-1.457,-33.401 -1.532,-33.401 -2.291,-32.642 -2.383,-32.642 -2.921,-32.104 -2.921,-29.428 -1.688,-28.195 DD18.1@-1.413,-28.195 -1.236,-28.018 M18.3@-1.236,-26.042
NetDD19_1: DD19.1 M19.3 RJ19.1 | length 9.1
  Top Layer w0.254: RJ19.1@1.651,-33.401 RJ19.1@1.845,-33.401
  Top Layer w0.508: RJ19.1@1.651,-33.401 0.199,-31.949 0.199,-29.887 1.27,-28.816 1.27,-28.541 1.616,-28.195 DD19.1@1.891,-28.195 2.066,-28.021 M19.3@2.066,-26.042
NetDD20_1: DD20.1 M20.3 RJ20.1 | length 9.1
  Top Layer w0.508: RJ20.1@5.147,-33.401 5.072,-33.401 4.313,-32.642 4.226,-32.642 3.429,-31.845 3.429,-29.687 4.921,-28.195 DD20.1@5.196,-28.195 5.368,-28.024 M20.3@5.368,-26.042
NetDD21_1: DD21.1 M21.3 RJ21.1 | length 9
  Top Layer w0.508: RJ21.1@8.449,-33.401 8.374,-33.401 7.615,-32.642 7.531,-32.642 6.922,-32.033 6.922,-29.499 8.395,-28.026 8.67,-28.026 M21.3@8.67,-26.042
NetDD22_1: DD22.1 M22.3 RJ22.1 | length 8.8
  Top Layer w0.508: RJ22.1@11.751,-33.401 11.676,-33.401 10.917,-32.642 10.836,-32.642 10.37,-32.176 10.37,-29.631 11.185,-28.816 11.185,-28.541 11.531,-28.195 DD22.1@11.806,-28.195 11.972,-28.029 M22.3@11.972,-26.042
NetDD23_1: DD23.1 M23.3 RJ23.1 | length 9.2
  Top Layer w0.508: RJ23.1@15.053,-33.401 14.978,-33.401 14.219,-32.642 14.14,-32.642 13.282,-31.784 13.282,-29.748 14.835,-28.195 DD23.1@15.11,-28.195 15.274,-28.032 M23.3@15.274,-26.042
NetDD24_1: DD24.1 M24.3 RJ24.1 | length 8.9
  Top Layer w0.508: RJ24.1@18.355,-33.401 18.28,-33.401 17.521,-32.642 17.445,-32.642 16.891,-32.088 16.891,-29.444 18.14,-28.195 DD24.1@18.415,-28.195 18.576,-28.034 M24.3@18.576,-26.042
NetDM6_1: DM6.1 F3.2 | length 4.7
  Top Layer w1.27: DM6.1@50.165,-31.591 50.165,-31.191 51.33,-30.026 53.865,-30.026 F3.2@53.975,-29.916
NetDM6_2: DM6.2 FB1.2 | length 4.3
  Top Layer w1.27: DM6.2@50.165,-27.591 50.165,-27.191 50.493,-26.863 FB1.2@53.975,-26.863
NetDP15_1: DP15.1 Dr.16 K.5 | length 10.7
  Top Layer w0.635: K.5@-10.963,41.332 -9.11,39.479 -9.11,37.745 DP15.1@-9.016,37.651 -9.016,37.376 -8.733,37.094 -8.188,37.094 -6.654,35.56 -5.255,35.56 -5.273,35.578 -5.273,35.687 Dr.16@-3.937,35.687
NetL1_1: L1.1 RR1.2 | length 12.6
  Top Layer w0.508: L1.1@-62.23,-42.291 -62.23,-32.819 -61.618,-32.207 RR1.2@-59.309,-32.207
NetL2_1: L2.1 RR2.2 | length 3.9
  Top Layer w0.508: L2.1@-54.874,-41.656 -53.908,-40.689 RR2.2@-53.908,-38.156
NetL3_1: L3.1 RR3.2 | length 3.7
  Top Layer w0.508: L3.1@-51.358,-41.656 -51.358,-39.639 -50.987,-39.268 RR3.2@-50.987,-38.156
NetL4_1: L4.1 RR4.2 | length 3.6
  Top Layer w0.508: L4.1@-47.841,-41.656 -47.763,-41.578 -47.763,-38.234 RR4.2@-47.685,-38.156
NetL5_1: L5.1 RR5.2 | length 3.6
  Top Layer w0.508: L5.1@-44.325,-41.656 -44.354,-41.627 -44.354,-38.158 -44.351,-38.156 RR5.2@-44.255,-38.252
NetL6_1: L6.1 RR6.2 | length 3.6
  Top Layer w0.508: RR6.2@-41.081,-38.156 -41.04,-38.156 -40.944,-38.252 -40.944,-41.52 L6.1@-40.808,-41.656
NetL7_1: L7.1 RR7.2 | length 3.8
  Top Layer w0.508: RR7.2@-37.779,-38.156 -37.629,-38.156 -37.291,-38.493 L7.1@-37.291,-41.656
NetL8_1: L8.1 RR8.2 | length 3.9
  Top Layer w0.508: RR8.2@-34.477,-38.156 -34.327,-38.156 -33.775,-38.708 L8.1@-33.775,-41.656
NetL9_1: L9.1 RR9.2 | length 3.9
  Top Layer w0.508: RR9.2@-31.175,-38.156 -31.175,-38.252 -31.175,-39.386 -31.175,-40.313 -30.713,-40.775 -30.713,-41.201 L9.1@-30.258,-41.656
NetL10_1: L10.1 RR10.2 | length 4
  Top Layer w0.508: RR10.2@-27.873,-38.156 -27.873,-40.026 -26.888,-41.011 -26.888,-41.51 L10.1@-26.742,-41.656
NetL11_1: L11.1 RR11.2 | length 4
  Top Layer w0.508: RR11.2@-24.571,-38.227 RR11.2@-24.571,-38.156 ; RR11.2@-24.325,-38.227 -24.325,-40.057 -23.369,-41.014 -23.369,-41.512 L11.1@-23.225,-41.656
NetL12_1: L12.1 RR12.2 | length 4.1
  Top Layer w0.508: RR12.2@-21.269,-38.156 -21.269,-39.669 -20.163,-40.775 -20.163,-41.201 L12.1@-19.708,-41.656
NetL13_1: L13.1 RR13.2 | length 4.2
  Top Layer w0.508: RR13.2@-17.967,-38.156 -17.967,-39.382 -16.338,-41.011 -16.338,-41.51 L13.1@-16.192,-41.656
NetL14_1: L14.1 RR14.2 | length 4.3
  Top Layer w0.508: RR14.2@-14.665,-38.156 -14.661,-38.156 -14.565,-38.252 -14.565,-39.268 -12.821,-41.011 -12.821,-41.51 L14.1@-12.675,-41.656
NetL15_1: L15.1 RR15.2 | length 4.4
  Top Layer w0.508: RR15.2@-11.117,-38.1 -11.117,-39.199 -9.304,-41.011 -9.304,-41.51 L15.1@-9.158,-41.656
NetL16_1: L16.1 RR16.2 | length 4.6
  Top Layer w0.508: RR16.2@-8.061,-38.156 -7.911,-38.156 -7.815,-38.252 -7.815,-38.984 -5.752,-41.047 -5.752,-41.546 L16.1@-5.642,-41.656
NetL17_1: L17.1 RR17.2 | length 4.7
  Top Layer w0.508: RR17.2@-4.759,-38.156 -4.609,-38.156 -4.513,-38.252 -4.513,-38.77 -2.124,-41.158 L17.1@-2.124,-41.655
NetL18_1: L18.1 RR18.2 | length 4.8
  Top Layer w0.508: RR18.2@-1.457,-38.156 -1.307,-38.156 -1.211,-38.252 -1.211,-38.555 1.245,-41.011 1.245,-41.51 L18.1@1.391,-41.656
NetL19_1: L19.1 RR19.2 | length 4.9
  Top Layer w0.254: RR19.2@1.845,-38.156 1.995,-38.156 2.218,-38.379 2.218,-38.458 4.635,-40.875 4.635,-41.383 L19.1@4.908,-41.656
NetL20_1: L20.1 RR20.2 | length 4.9
  Top Layer w0.305: RR20.2@5.147,-38.156 5.297,-38.156 5.495,-38.353 5.495,-38.726 L20.1@8.425,-41.656
NetL21_1: L21.1 RR21.2 | length 5
  Top Layer w0.305: RR21.2@8.449,-38.156 8.599,-38.156 11.32,-40.877 11.32,-41.035 L21.1@11.941,-41.656
NetL22_1: L22.1 RR22.2 | length 5.8
  Top Layer w0.305: RR22.2@11.751,-38.156 11.901,-38.156 13.491,-39.746 13.867,-39.746 14.249,-40.128 15.03,-40.128 15.458,-40.556 L22.1@15.458,-41.656
NetL23_1: L23.1 RR23.2 | length 6.3
  Top Layer w0.305: RR23.2@15.053,-38.156 15.203,-38.156 16.915,-39.868 18.789,-39.868 18.974,-40.053 L23.1@18.974,-41.656
NetL24_1: L24.1 RR24.2 | length 6
  Top Layer w0.305: RR24.2@18.355,-38.156 19.679,-38.156 22.322,-40.799 22.322,-41.487 L24.1@22.491,-41.656
NetL25_1: L25.1 RR25.2 | length 3.2
  Top Layer w0.508: RR25.2@42.799,-29.718 43.058,-29.459 45.701,-29.459 L25.1@45.847,-29.313
NetL26_1: L26.1 RR26.2 | length 3.2
  Top Layer w0.508: RR26.2@42.799,-24.498 43.062,-24.235 45.701,-24.235 L26.1@45.847,-24.089
NetL27_1: L27.1 RR27.2 | length 3.2
  Top Layer w0.508: RR27.2@42.799,-19.278 44.411,-19.278 44.685,-19.004 45.709,-19.004 L27.1@45.847,-18.865
NetL28_1: L28.1 RR28.2 | length 3.2
  Top Layer w0.508: RR28.2@42.799,-14.057 43.069,-13.787 45.701,-13.787 L28.1@45.847,-13.641
NetL29_1: L29.1 RR29.2 | length 3.2
  Top Layer w0.508: RR29.2@42.799,-8.837 45.427,-8.837 L29.1@45.847,-8.417
NetL30_1: L30.1 RR30.2 | length 3.2
  Top Layer w0.508: RR30.2@42.799,-3.617 45.423,-3.617 L30.1@45.847,-3.193
NetL31_1: L31.1 RR31.2 | length 3.2
  Top Layer w0.508: RR31.2@42.799,1.603 43.124,1.603 43.551,2.031 L31.1@45.847,2.031
NetL32_1: L32.1 RR32.2 | length 3.2
  Top Layer w0.508: RR32.2@42.799,6.823 45.416,6.823 L32.1@45.847,7.255
NetL33_1: L33.1 RR33.2 | length 3.2
  Top Layer w0.508: RR33.2@42.799,12.044 43.124,12.044 43.559,12.478 L33.1@45.847,12.478
NetL34_1: L34.1 RR34.2 | length 3.2
  Top Layer w0.508: RR34.2@42.799,17.264 43.124,17.264 43.563,17.702 L34.1@45.847,17.702
NetL35_1: L35.1 RR35.2 | length 3.2
  Top Layer w0.508: RR35.2@42.799,22.484 43.124,22.484 43.566,22.926 L35.1@45.847,22.926
NetL36_1: L36.1 RR36.2 | length 3.2
  Top Layer w0.508: RR36.2@42.799,27.704 44.411,27.704 44.711,28.004 45.701,28.004 L36.1@45.847,28.15
NetL37_1: L37.1 RR37.2 | length 3.2
  Top Layer w0.508: RR37.2@42.799,32.924 43.124,32.924 43.574,33.374 L37.1@45.847,33.374
NetL38_1: L38.1 RR38.2 | length 3.2
  Top Layer w0.508: RR38.2@42.799,38.145 43.124,38.145 43.578,38.598 L38.1@45.847,38.598
NetL39_1: L39.1 RR39.2 | length 3.2
  Top Layer w0.508: RR39.2@42.799,43.365 44.411,43.365 44.722,43.676 45.701,43.676 L39.1@45.847,43.822
NetL40_1: L40.1 RR40.2 | length 3.2
  Top Layer w0.508: RR40.2@42.799,48.585 43.124,48.585 43.585,49.046 L40.1@45.847,49.046
NetO1_1: O1.1 RU1.2 | length 2.9
  Top Layer w0.508: O1.1@37.084,-30.2 37.393,-30.2 37.946,-29.647 RU1.2@39.751,-29.647
NetO2_1: O2.1 RU2.2 | length 2.9
  Top Layer w0.508: O2.1@37.084,-24.969 37.393,-24.969 37.923,-24.44 RU2.2@39.751,-24.44
NetO3_1: O3.1 RU3.2 | length 2.9
  Top Layer w0.508: O3.1@37.084,-19.739 38.92,-19.739 39.426,-19.233 RU3.2@39.751,-19.233
NetO4_1: O4.1 RU4.2 | length 2.9
  Top Layer w0.508: O4.1@37.084,-14.508 37.303,-14.289 39.488,-14.289 RU4.2@39.751,-14.026
NetO5_1: O5.1 RU5.2 | length 2.9
  Top Layer w0.508: O5.1@37.084,-9.277 37.303,-9.059 39.511,-9.059 RU5.2@39.751,-8.819
NetO6_1: O6.1 RU6.2 | length 2.8
  Top Layer w0.508: O6.1@37.084,-4.047 37.301,-3.829 39.534,-3.829 RU6.2@39.751,-3.612
NetO7_1: O7.1 RU7.2 | length 2.8
  Top Layer w0.508: O7.1@37.084,1.184 37.303,1.403 37.947,1.403 38.139,1.595 RU7.2@39.751,1.595
NetO8_1: O8.1 RU8.2 | length 2.8
  Top Layer w0.508: O8.1@37.084,6.415 37.278,6.608 39.557,6.608 RU8.2@39.751,6.802
NetO9_1: O9.1 RU9.2 | length 2.8
  Top Layer w0.508: O9.1@37.084,11.645 37.266,11.827 39.569,11.827 RU9.2@39.751,12.009
NetO10_1: O10.1 RU10.2 | length 2.8
  Top Layer w0.508: O10.1@37.084,16.876 37.254,17.046 39.581,17.046 RU10.2@39.751,17.216
NetO11_1: O11.1 RU11.2 | length 2.8
  Top Layer w0.508: O11.1@37.084,22.107 38.672,22.107 38.717,22.152 39.48,22.152 RU11.2@39.751,22.423
NetO12_1: O12.1 RU12.2 | length 2.8
  Top Layer w0.508: O12.1@37.084,27.337 38.672,27.337 38.693,27.359 39.48,27.359 RU12.2@39.751,27.63
NetO13_1: O13.1 RU13.2 | length 2.8
  Top Layer w0.508: O13.1@37.084,32.568 37.219,32.702 39.616,32.702 RU13.2@39.751,32.837
NetO14_1: O14.1 RU14.2 | length 2.8
  Top Layer w0.508: O14.1@37.084,37.799 37.207,37.921 39.628,37.921 RU14.2@39.751,38.044
NetO15_1: O15.1 RU15.2 | length 2.8
  Top Layer w0.508: O15.1@37.084,43.029 37.195,43.14 39.64,43.14 RU15.2@39.751,43.251
NetO16_1: O16.1 RU16.2 | length 2.9
  Top Layer w0.508: O16.1@37.084,48.26 37.183,48.359 39.779,48.359 RU16.2@39.878,48.458
NetOpC_2: OpC.2 RP1.1 | length 3.7
  Top Layer w1.27: OpC.2@42.291,-48.514 42.364,-48.587 43.81,-48.587 45.283,-50.06 RP1.1@45.283,-50.165
NetP10_2: P10.2 RP1.2 | length 13.9
  Top Layer w1.27: RP1.2@47.879,-50.165 47.879,-50.06 47.989,-49.95 48.094,-49.95 49.022,-49.022 53.594,-49.022 54.421,-48.195 54.421,-44.843 53.316,-43.738 52.978,-43.738 52.213,-42.973 P10.2@52.07,-42.973
NetR1_2: R1.2 U1.20 | length 16.4
  Top Layer w0.254: U1.20@-38.106,23.501 -38.035,23.572 -38.037,23.573 -38.037,23.603 U1.20@-37.946,23.693 ; U1.20@-37.93,23.677 -36.96,24.647 -36.948,24.647 -36.83,24.765 -36.83,27.178 -36.13,27.878 -34.223,27.878 -32.828,26.483 -32.828,22.19 -32.831,22.187 -32.831,21.476 -31.918,20.563 R1.2@-31.918,19.532
NetR2_1: R2.1 U1.44 | length 18.5
  Top Layer w0.254: R2.1@-57.531,7.747 -57.531,7.872 -53.192,12.211 -47.307,12.211 U1.44@-42.826,16.693
NetR7_2: R7.2 usb.2 | length 10.1
  Top Layer w0.254: usb.2@-56.788,27.449 -55.957,27.449 -55.175,26.667 -55.175,23.353 -54.265,22.443 -53.225,22.443 -51.774,23.894 -51.649,23.894 -51.476,24.067 R7.2@-51.476,24.192
NetR8_2: R8.2 usb.3 | length 9.3
  Top Layer w0.254: usb.3@-56.788,26.799 -56.76,26.771 -55.965,26.771 -55.732,26.538 -55.732,23.268 -54.268,21.804 R8.2@-51.476,21.804
NetRC1_2: RC1.2 Tx.2 | length 2.6
  Top Layer w0.254: RC1.2@-28.871,45.593 -28.871,48.091 Tx.2@-28.829,48.133
NetRC2_2: RC2.2 Rx.2 | length 2.4
  Top Layer w0.635: RC2.2@-31.378,45.633 -31.372,45.64 -31.372,47.981 Rx.2@-31.365,47.988
NetRF1_1: RF1.1 T1.1 | length 11.9
  Bottom Layer w0.508: RF1.1@-59.563,-32.646 RF1.1@-59.436,-32.519 -59.761,-32.519 -62.27,-35.028 -62.27,-38.796 -59.497,-41.569 T1.1@-59.497,-41.769
NetRF2_1: RF2.1 T2.1 | length 10.3
  Bottom Layer w0.508: RF2.1@-56.007,-32.646 RF2.1@-56.134,-32.519 -55.809,-32.519 -55.22,-33.108 -55.22,-38.716 -55.941,-39.437 T2.1@-55.941,-41.769
NetRF3_1: RF3.1 T3.1 | length 6.1
  Bottom Layer w0.508: RF3.1@-52.832,-32.519 -52.722,-32.519 -52.451,-32.79 T3.1@-52.451,-38.354
NetRF4_1: RF4.1 T4.1 | length 6.3
  Bottom Layer w0.508: RF4.1@-49.53,-32.519 -49.205,-32.519 -48.934,-32.79 -48.934,-38.315 T4.1@-48.895,-38.354
NetRF5_1: RF5.1 T5.1 | length 6.4
  Bottom Layer w0.508: RF5.1@-46.228,-32.519 -45.903,-32.519 -45.339,-33.083 T5.1@-45.339,-38.354
NetRF6_1: RF6.1 T6.1 | length 6.5
  Bottom Layer w0.508: RF6.1@-42.926,-32.519 -42.601,-32.519 -41.783,-33.337 T6.1@-41.783,-38.354
NetRF7_1: RF7.1 T7.1 | length 6.6
  Bottom Layer w0.508: RF7.1@-39.624,-32.519 -39.299,-32.519 -39.028,-32.79 -39.028,-33.115 -38.227,-33.916 T7.1@-38.227,-38.354
NetRF8_1: RF8.1 T8.1 | length 6.7
  Bottom Layer w0.508: RF8.1@-36.322,-32.519 -35.997,-32.519 -35.726,-32.79 -35.726,-33.115 -34.671,-34.17 T8.1@-34.671,-38.354
NetRF9_1: RF9.1 T9.1 | length 6.8
  Bottom Layer w0.508: RF9.1@-33.02,-32.519 -32.695,-32.519 -32.424,-32.79 -32.424,-33.115 -31.115,-34.424 T9.1@-31.115,-38.354
NetRF10_1: RF10.1 T10.1 | length 6.9
  Bottom Layer w0.508: RF10.1@-29.718,-32.519 -29.393,-32.519 -29.122,-32.79 -29.122,-33.115 -27.559,-34.678 T10.1@-27.559,-38.354
NetRF11_1: RF11.1 T11.1 | length 7
  Bottom Layer w0.508: RF11.1@-26.416,-32.519 -26.091,-32.519 -25.82,-32.79 -25.82,-33.115 -24.003,-34.932 T11.1@-24.003,-38.354
NetRF12_1: RF12.1 T12.1 | length 7.1
  Bottom Layer w0.508: RF12.1@-23.114,-32.519 -22.789,-32.519 -22.518,-32.79 -22.518,-33.115 -20.447,-35.186 T12.1@-20.447,-38.354
NetRF13_1: RF13.1 T13.1 | length 7.2
  Bottom Layer w0.508: RF13.1@-19.812,-32.519 -19.487,-32.519 -19.216,-32.79 -19.216,-33.115 -16.891,-35.44 T13.1@-16.891,-38.354
NetRF14_1: RF14.1 T14.1 | length 7.3
  Bottom Layer w0.508: RF14.1@-16.51,-32.519 -16.185,-32.519 -15.914,-32.79 -15.914,-33.115 -13.335,-35.694 T14.1@-13.335,-38.354
NetRF15_1: RF15.1 T15.1 | length 7.4
  Bottom Layer w0.508: RF15.1@-13.208,-32.519 -12.883,-32.519 -12.612,-32.79 -12.612,-33.115 -9.779,-35.948 T15.1@-9.779,-38.354
NetRF16_1: RF16.1 T16.1 | length 7.6
  Bottom Layer w0.508: RF16.1@-9.906,-32.519 -9.581,-32.519 -9.31,-32.79 -9.31,-33.115 -6.223,-36.202 T16.1@-6.223,-38.354
NetRF17_1: RF17.1 T17.1 | length 7.7
  Bottom Layer w0.508: RF17.1@-6.604,-32.519 -6.279,-32.519 -2.667,-36.131 T17.1@-2.667,-38.354
NetRF18_1: RF18.1 T18.1 | length 7.8
  Bottom Layer w0.508: RF18.1@-3.302,-32.519 -2.977,-32.519 0.889,-36.385 T18.1@0.889,-38.354